# Altium PCB design.PcbDoc (part 2 of 4)
Units mil, origin at the board's own origin, x right, y up, seen from the top; angles counter-clockwise.
Board outline 4704.72 x 3503.94 mil, 6 copper layers (Top, GND, S3, S14, Power, Bottom), stack 57.09 mil thick; 326 components, 365 nets, 1536 pads, 493 vias.
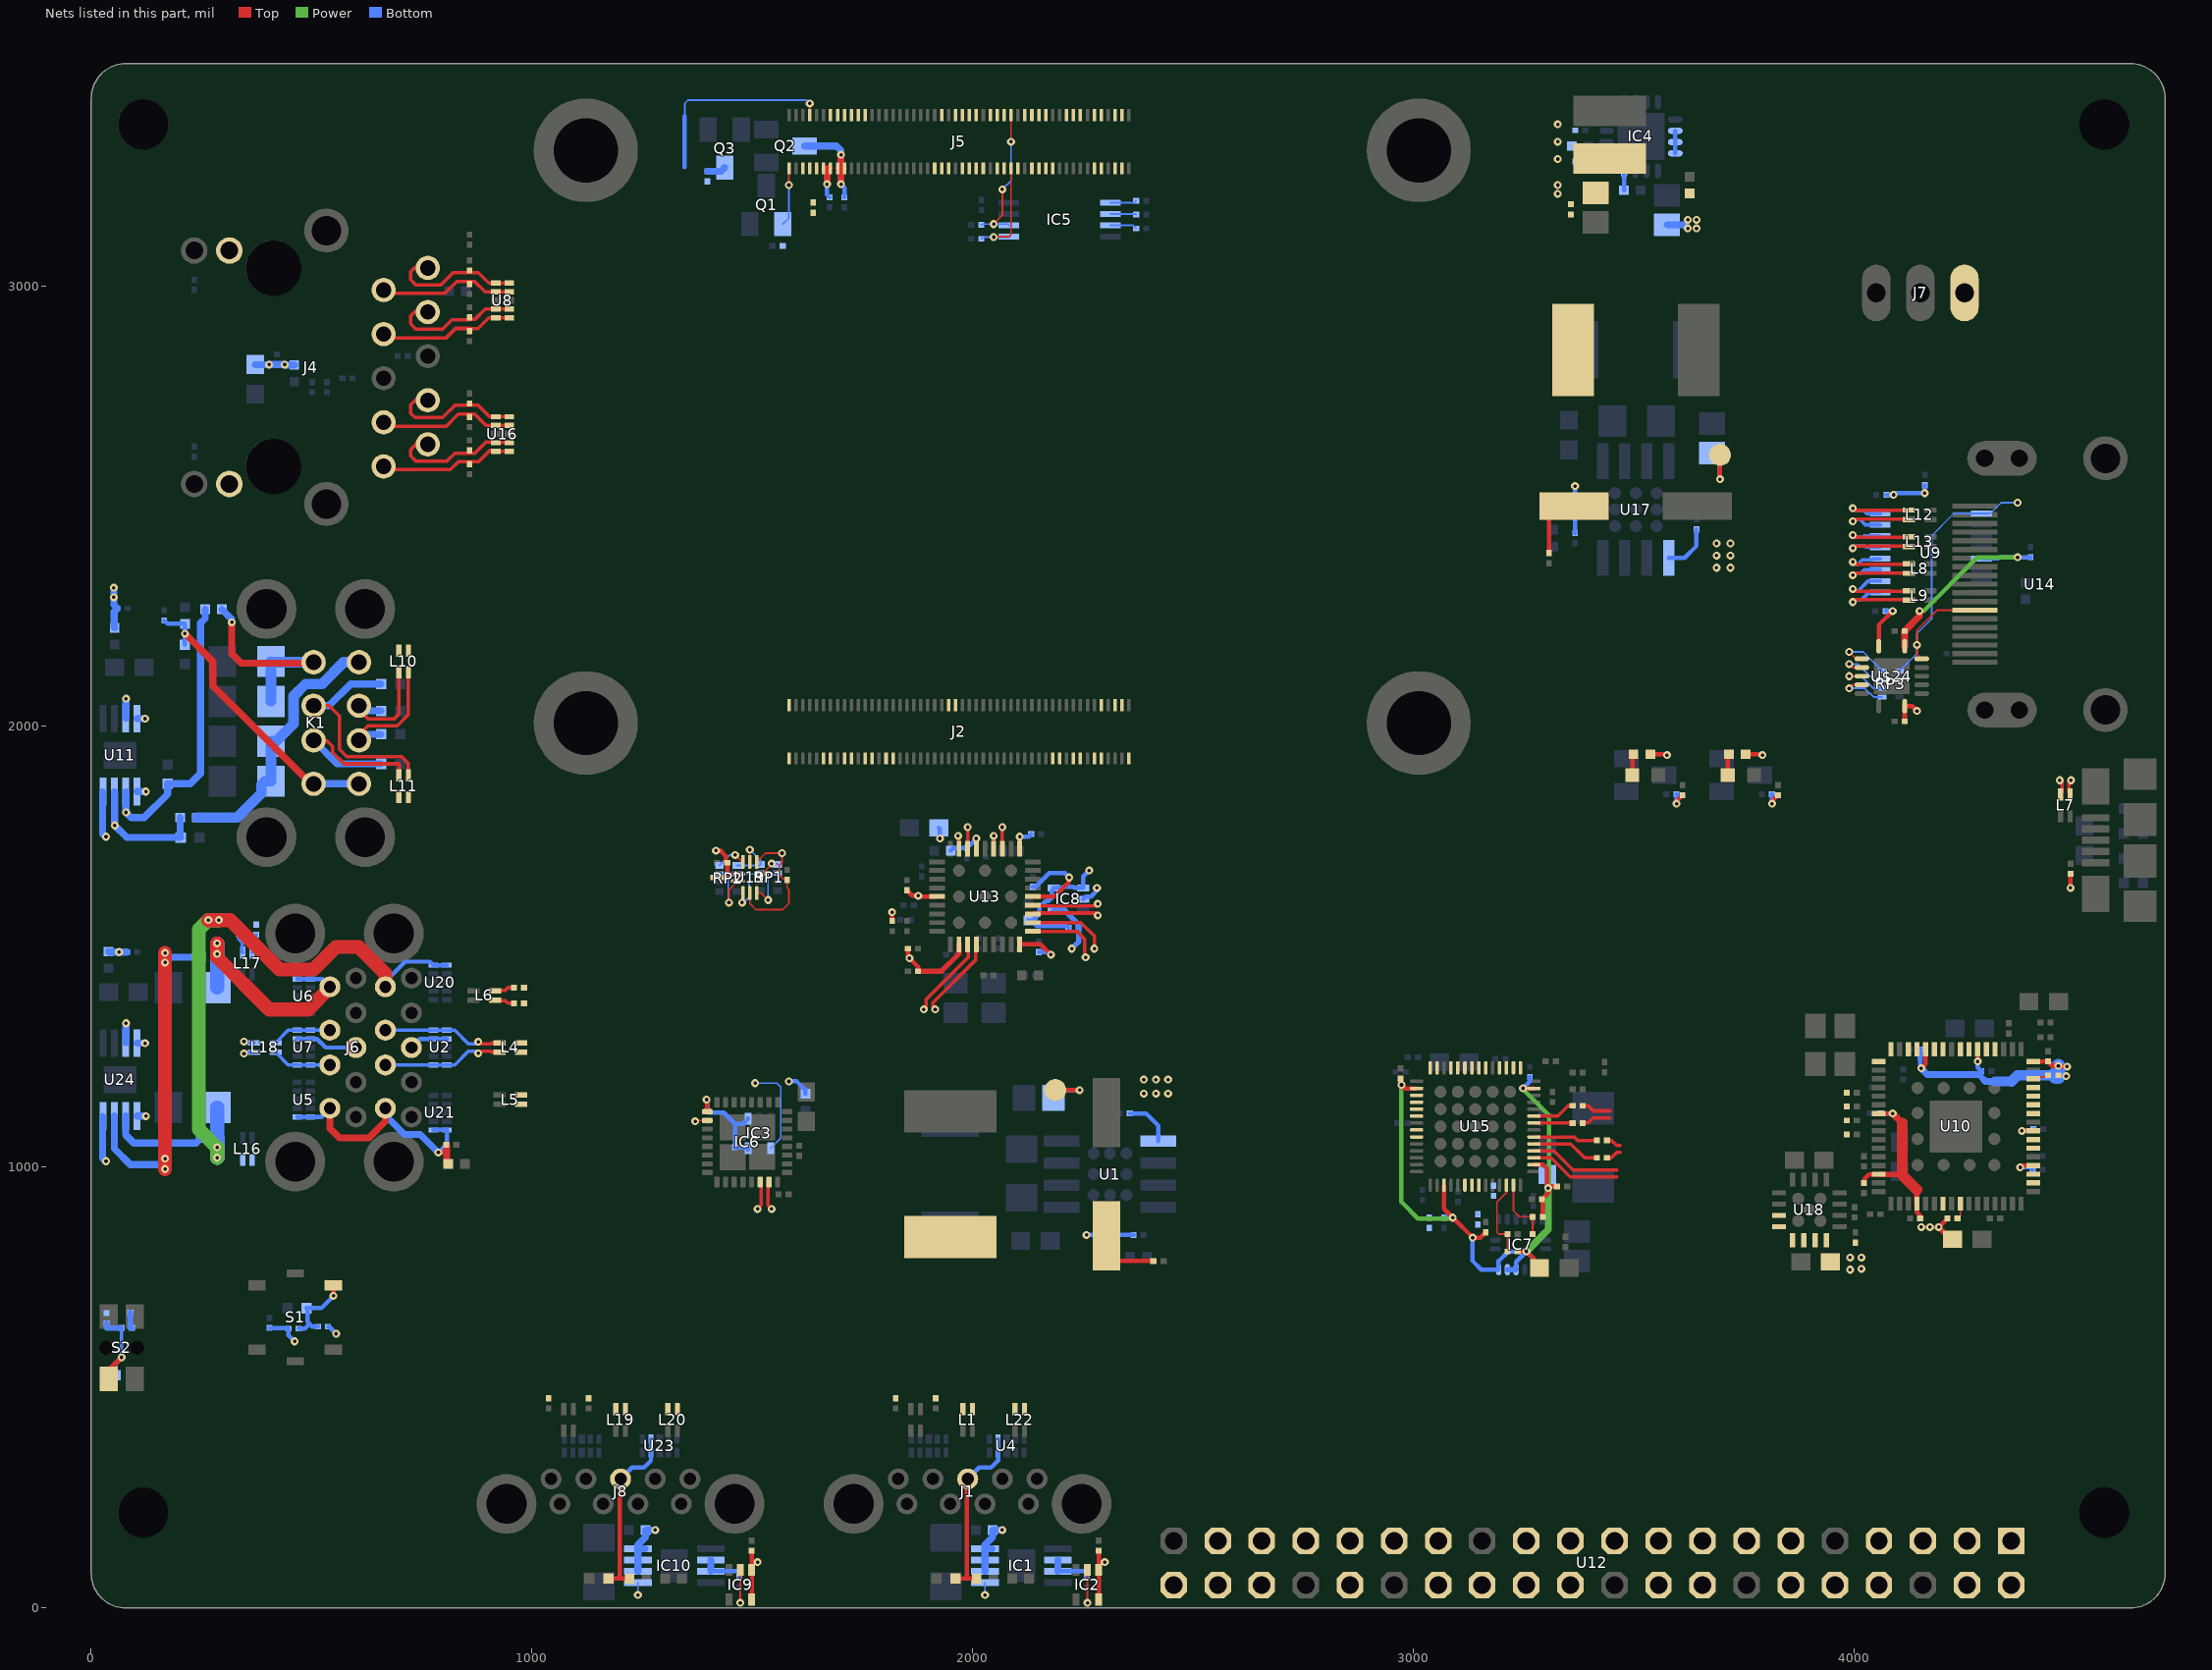
[diagram p4: the nets of this part, all layers, seen from the top]

## Part data
C1 C4 C5 C6 C8 C9 C10 C11 C12 C14 C16 C18 C20 C21 C22 C23 C24 C26 C27 C28 C29 C31 C32 C33 C41 C42 C43 C44 C52 C63 C66 C78 C80 C82 C83 C84 C88 C90 C91 C93 C94 C95 C253 C254 C256 C257 C258 C259 C260 C261 C263 C264 C265 C266 C267 C268 C269 C270 C271 C272 C273 C274 C280 C281 C285 C286 C287 C288 C289 C290 C291 C292 C293 C294 C295 C296 C297 C298 C301 C302 C303 C304 C305 C307 C308 C309 C311 C312 C314 C315 C316 C318 C319 R1 R2 R3 R4 R5 R6 R7 R8 R9 R10 R11 R12 R13 R14 R15 R16 R20 R21 R23 R24 R25 R26 R27 R28 R30 R31 R32 R33 R34 R35 R36 R37 R38 R39 R40 R41 R42 R44 R47 R48 R49 R50 R51 R52 R53 R54 R55 R56 R57 R58 R59 R60 R62 R63 R64 R65 R66 R67 R69 R70 R71: library part 0201, PackageName=0201, OriginalSource=Eagle
C2 C7 C13 C262 C276 C277 C278 C279 C306 C310: library part 1206, PackageName=1206, OriginalSource=Eagle
C3 C17 C25 C30 C34 C45 C46 C64 C81 C89 C158 C167 C255 C275 C282 C283 C300: library part 0603, PackageName=0603, OriginalSource=Eagle
C15 C65 C85 C87 C284 C299 C313 FB1 FB2 FB3 FB4 FB9 FB10 FB11 FB12 FB13 FB14 FB15 FB16 FB17 FB18 FB19 FB20 R17 R19 R22 R29 R43 R45 R61: library part 0402, PackageName=0402, OriginalSource=Eagle
C19 C86 C92 R18 R68: library part 0805, PackageName=0805, OriginalSource=Eagle
C79 C317: library part PANASONIC_F, PackageName=PANASONIC_F, OriginalSource=Eagle
D1 D2 D3 D4 D5 D6 D7 D9 D10 D11 D12 D15 D16 D17 D19: library part D0402, PackageName=D0402, OriginalSource=Eagle
D8 D13: library part D0603, PackageName=D0603, OriginalSource=Eagle
D14 D18: library part DO-214AB, PackageName=DO-214AB, OriginalSource=Eagle
IC1 IC10 U11 U24: library part MSOP8-PAD, PackageName=MSOP8-PAD, OriginalSource=Eagle
IC2 IC3 IC8 IC9: library part SC70-5, PackageName=SC70-5, OriginalSource=Eagle
IC4: library part PQFP16, PackageName=PQFP16, OriginalSource=Eagle
IC5: library part TSSOP8, PackageName=TSSOP8, OriginalSource=Eagle
IC6: library part QFN32, PackageName=QFN32, OriginalSource=Eagle
IC7: library part EP-3X3MMQFN16, PackageName=EP-3X3MMQFN16, OriginalSource=Eagle
J1 J8: library part USB3-A-H-VERT, PackageName=USB3-A-H-VERT, OriginalSource=Eagle
J2 J5: library part HRS_DF40C-100DS-0.4V(51), PackageName=HRS_DF40C-100DS-0.4V(51), OriginalSource=Eagle
J3: library part USB_MICRO_B, PackageName=USB_MICRO_B, OriginalSource=Eagle
J4: library part 7499111447, PackageName=7499111447, OriginalSource=Eagle
J6: library part USB3-A-H-DUAL, PackageName=USB3-A-H-DUAL, OriginalSource=Eagle
J7: library part 1X03_90_TH_SHROUD, PackageName=1X03_90_TH_SHROUD, OriginalSource=Eagle
L1 L3 L4 L5 L6 L7 L8 L9 L10 L11 L12 L13 L16 L17 L18 L19 L20 L21 L22: library part 0504-DLP11S, PackageName=0504-DLP11S, OriginalSource=Eagle
L2 L14: library part 3232DZ, PackageName=3232DZ, OriginalSource=Eagle
L15: library part 1515, PackageName=1515, OriginalSource=Eagle
MP1 MP2 MP3 MP4: library part WA-SMSI_9774___151, PackageName=WA-SMSI_9774___151, OriginalSource=Eagle
Q1 Q2 Q3 Q4 Q5: library part SOT23, PackageName=SOT23, OriginalSource=Eagle
RP1 RP2: library part RP741X083, PackageName=RP741X083, OriginalSource=Eagle
RP3: library part 741X08, PackageName=741X08, OriginalSource=Eagle
S1: library part EVQ, PackageName=EVQ, OriginalSource=Eagle
S2: library part EVQP-4, PackageName=EVQP-4, OriginalSource=Eagle
TP1 TP2: library part TP0500, PackageName=TP0500, OriginalSource=Eagle
U1 U17: library part 8SO_POWERPAD, PackageName=8SO_POWERPAD, OriginalSource=Eagle
U2 U3 U4 U5 U6 U7 U8 U16 U20 U21 U22 U23: library part UFDFN-10, PackageName=UFDFN-10, OriginalSource=Eagle
U9: library part TSSOP16, PackageName=TSSOP16, OriginalSource=Eagle
U10: library part QFN64-9X9MM-FT2232HQ, PackageName=QFN64-9X9MM-FT2232HQ, OriginalSource=Eagle
U12: library part 2X20, PackageName=2X20, OriginalSource=Eagle
U13: library part QFN36-6X6MM, PackageName=QFN36-6X6MM, OriginalSource=Eagle
U14: library part 47151-001, PackageName=47151-001, OriginalSource=Eagle
U15: library part VQFN56, PackageName=VQFN56, OriginalSource=Eagle
U18: library part LFCSPWQ16, PackageName=LFCSPWQ16, OriginalSource=Eagle
U19: library part UQFN-10, PackageName=UQFN-10, OriginalSource=Eagle
U$11 U$13 U$17 U$28: library part GEPPETTO_HOLE_2.9, PackageName=GEPPETTO_HOLE_2.9, OriginalSource=Eagle
U$24: library part S-PVQFN-N14, PackageName=S-PVQFN-N14, OriginalSource=Eagle
Y1 Y3: library part CRYSTAL-3225, PackageName=CRYSTAL-3225, OriginalSource=Eagle
Y2: library part CS10, PackageName=CS10, OriginalSource=Eagle
K1: PackageName=61400826021, OriginalSource=Eagle

## Free pads (board coordinates)
  round 31.5 hole 31.5 unplated: MH1(104.33,590.55) MH2(33.47,590.55)
  round 114.17 hole 114.17 unplated: MH1(118.11,216.54) MH1(118.11,3366.14) MH1(4566.93,216.54) MH1(4566.93,3366.14)
  round 125.98 hole 125.98 unplated: MH1(413.39,3039.96) MH2(413.39,2589.96)
  round 145.67 hole 145.67 unplated: MH1(1122.05,2007.87) MH1(1122.05,3307.09) MH1(3011.81,2007.87) MH1(3011.81,3307.09)
  round 39.37 hole 39.37 unplated: MH1(4295.28,2037.4) MH2(4295.28,2608.26)

## Via types
v1: diameter 18/18/18/18/18/18 (per signal layer), hole 8, Top to Bottom, 493 vias

## Nets (pads, with @x,y where several pads share a name; then routed paths per layer and width w, separated by ;. In a path a pad name is that pad's centre, name@x,y a point inside that pad or via, vN(x,y) a via of type N, cw(c..) or ccw(c..) an arc to the next point about the centre after c; other vN are vias at no path point)
1.8V_OUT$14: J5.88 J5.90 R48.1 | length 83.9
  Top w10: J5.90@1661.41,3266.14 1669.29,3266.14 J5.88@1677.16,3266.14
  Top w16: v1(1669.29,3230.32) 1669.29,3266.14
  Bottom w10: v1(1669.29,3230.32) 1669.29,3206.38 R48.1@1675.2,3200.48
1.USB_DEVICE_D_N: IC6.15 L7.2 | length 105
  Top w7.87: IC6.15@1537.4,966.54 1535.43,966.54 1535.43,913.39 v1(1543.31,905.51) ; v1(4465.41,1877.95) 4470.47,1877.95 4470.47,1850.39 4468.5,1848.43 4468.5,1846.46 L7.2@4467.52,1845.48
1.USB_DEVICE_D_P: IC6.14 L7.3 | length 105.8
  Top w7.87: v1(1511.81,905.51) 1519.69,913.39 1519.69,966.54 IC6.14@1517.72,966.54 ; L7.3@4489.18,1845.48 4490.16,1846.46 4486.22,1850.39 4486.22,1877.95 v1(4491.28,1877.95)
1.USB_DEVICE_VBUS: FB10.1 R31.1 | length 85.9
  Top w10: v1(4490.16,1633.86) R31.1@4490.16,1665.67
  Bottom w10: v1(1582.68,1194.88) 1600.39,1194.88 1620.08,1175.2 FB10.1@1620.08,1166.64
2.5.0V_VCC_5.0: C85.1 C86.1 C87.1 C258.1 C259.1 C272.1 C284.1 C316.1 C317.+ FB11.1 IC4.2 IC4.3 IC4.4 IC4.8 IC8.1 IC8.5 J5.77 J5.79 J5.81 J5.83 J5.85 J5.87 L14.2 R59.1 R60.2 U9.5 U12.2 U12.4 U$24.14 | length 1313.1
  Top w10: C316.1@3307.09,2393.39 C317.+@3307.09,2500
  Top w16: U$24.14@4114.18,2182.08 4113.86,2182.4 C259.1@4113.86,2216.54 4147.64,2250.31 v1(4147.64,2261.81)
  Top w24: C317.+@3307.09,2500 C317.+@3364.18,2500
  Power w10: v1(4147.64,2261.81) 4156.5,2261.81 4278.54,2383.86 v1(4370.08,2383.86)
  Bottom w10: C284.1@2125.98,1559.74 C284.1@2133.17,1559.74 ; 2149.61,1551.18 2145.67,1547.24 ; R60.2@2216.85,1543.31 ccw(c2209.8,1540.19) 2206.69,1547.24 2145.67,1547.24 ; v1(2263.78,1673.23) 2250,1659.45 IC8.1@2250,1633.86 2230.32,1633.86 2228.35,1635.83 2204.72,1635.83 2202.76,1633.86 IC8.5@2183.08,1633.86 2183.07,1630.61 2179.13,1626.67 2179.13,1612.2 2171.26,1604.33 2165.35,1604.33 2151.57,1590.55 2151.57,1574.8 2136.51,1559.74 C284.1@2133.17,1559.74 ; R59.1@3366.14,2438.67 v1(3366.14,2545.28) ; C85.1@3477.06,3216.54 3477.06,3260.53 IC4.8@3477.36,3260.82 IC4.8@3478.35,3259.84 ; IC4.4@3593.51,3300.19 IC4.2@3593.51,3351.38 ; U9.5@4288.39,2380.9 4325.79,2380.91 4328.74,2383.86 v1(4370.08,2383.86) 4399.61,2383.86 C258.1@4399.61,2384.17 ; C284.1@2133.17,1559.74 2145.67,1547.24
  Bottom w16: v1(51.18,2314.96) v1(51.18,2293.31) 51.18,2275.9 C272.1@59.37,2267.72 51.87,2260.22 51.87,2225.01 FB11.1@53.15,2223.72 ; C86.1@3574.8,3137.8 3614.17,3137.8 v1(3622.05,3129.92)
  other v1: 3641.73,3129.92 3622.05,3149.61 3641.73,3149.61
3.3.3V_VCC_3.3: C41.1 C42.1 C45.1 C63.1 C64.1 C92.1 C93.1 C158.1 C267.1 C268.1 C269.1 C280.1 C286.1 C287.1 FB9.2 L15.2 R19.2 R20.2 R21.1 R27.2 R29.2 R45.2 R47.2 R55.2 U10.4 U10.20 U10.24 U10.32 U10.38 U10.44 U10.55 U10.62 U12.17 U18.1 U18.2 U18.3 U18.4 U18.15 U18.16 | length 1373.4
  Top w10: R29.2@3536.72,1937.01 3572.83,1937.01 v1(3574.8,1935.04) ; R45.2@3753.25,1937.01 3789.37,1937.01 v1(3791.34,1935.04) ; C41.1@4021.65,964.26 4021.65,972.44 4033.46,984.25 U10.62@4055.11,984.25 ; U10.55@4055.11,1122.05 v1(4086.61,1122.05) ; U10.4@4141.73,917.32 4141.73,897.64 4147.64,891.73 4147.64,885.52 C267.1@4149.3,883.86 ; v1(4151.57,1224.41) 4161.42,1234.25 U10.44@4161.41,1267.72 ; v1(4190.94,864.17) 4191.26,864.17 R27.2@4210.94,883.86 ; v1(4279.53,1240.16) U10.38@4279.52,1267.72 ; v1(4375.98,1000) 4379.92,1003.94 U10.20@4405.51,1003.94 ; v1(4379.92,1082.68) U10.24@4405.51,1082.68 ; U10.32@4405.51,1240.16 4427.17,1240.16 4427.48,1240.47 C287.1@4438.98,1240.47 ; v1(4462.6,1230.32) 4464.57,1228.35 v1(4482.28,1228.35)
  Top w12: C287.1@4438.98,1240.47 4449.13,1230.32 v1(4462.6,1230.32)
  Top w12.32: U10.62@4055.11,984.25 4106.3,984.25 4108.27,984.25 ; U10.4@4141.73,917.32 4141.73,948.82 ; v1(4190.94,864.17) 4218.5,836.61 C45.1@4222.45,836.61
  Top w16: v1(4086.61,1122.05) 4108.27,1100.39
  Top w23.62: 4106.3,984.25 4141.73,948.82 ; 4108.27,984.25 4108.27,1100.39
  Bottom w10: C280.1@4058.74,1122.05 v1(4086.61,1122.05) ; 4149.3,1243.78 4149.3,1226.69 v1(4151.57,1224.41) ; v1(4279.53,1240.16) 4279.53,1226.69 C286.1@4287.71,1218.5 ; v1(4375.98,1000) 4397.95,1000 C268.1@4403.85,994.09 ; v1(4379.92,1082.68) 4401.89,1082.68 C269.1@4405.82,1086.61
  Bottom w12.32: 4149.3,1243.78 C42.1@4149.3,1267.72 ; 4279.84,1210.63 C286.1@4287.4,1218.19 ; C286.1@4287.71,1218.5 C286.1@4287.4,1218.19 ; 4293.31,1198.82 4287.4,1204.72 C286.1@4287.4,1218.19
  Bottom w16: C64.1@372.05,2820.86 v1(403.54,2820.87) 403.85,2821.18 438.67,2821.18 v1(438.98,2820.87) 439.66,2820.18 FB9.2@460.63,2820.18 ; v1(4151.57,1224.41) 4165.35,1210.63 4279.84,1210.63 ; 4293.31,1198.82 4297.24,1194.88 4318.9,1194.88
  Bottom w21.65: 4318.9,1194.88 4356.3,1194.88
  Bottom w24: 4356.3,1194.88 4370.08,1208.66 4452.44,1208.66
  Bottom w32: 4452.44,1208.66 4456.38,1204.72 4462.29,1204.72 4462.6,1205.04 4462.6,1228.35 v1(4462.6,1230.32)
  other v1: 3990.16,767.72 4015.75,769.68 3990.16,795.28 4015.75,795.28 4151.57,864.17 4171.26,864.17 4480.31,1206.69 3326.77,3208.66 3326.77,3228.35 3326.77,3287.4 3326.77,3326.77 3326.77,3366.14
3.3V_OUT$14: J5.84 J5.86 Q2.3 R44.1 R50.1 | length 282.5
  Top w10: J5.86@1692.91,3266.14 1700.79,3266.14 J5.84@1708.66,3266.14 1700.79,3274.02
  Top w16: v1(1700.79,3230.32) 1700.79,3266.14 ; 1700.79,3274.02 v1(1700.79,3297.24)
  Bottom w10: v1(1700.79,3230.32) 1708.66,3222.44 R44.1@1708.66,3200.48
  Bottom w16: Q2.3@1618.11,3316.93 1690.94,3316.93 1700.79,3307.09 v1(1700.79,3297.24) v1(1700.79,3230.32)
3.VLOGIC_VLOGIC: R21.2
13.UART1_RXD: RP1.1 U12.10 U19.7 | length 47.5
  Top w4: U19.7@1521.65,1665.35 1543.31,1687.01 v1(1543.31,1688.98)
  Bottom w4: v1(1543.31,1688.98) 1555.12,1688.98 cw(c1555.12,1687.01) RP1.1@1557.09,1687.01
13.UART1_TXD: RP1.2 U12.8 U19.5 | length 113.6
  Top w4: U19.5@1509.84,1622.05 1519.69,1622.05 v1(1535.43,1606.3)
  Bottom w4: v1(1535.43,1606.3) 1535.43,1665.35 1537.4,1667.32 RP1.2@1557.09,1667.32
13.UART2_RXD: IC3.4 RP2.4 U19.10 | length 279.5
  Top w4: v1(1460.63,1708.66) 1476.38,1692.91 U19.10@1478.35,1692.91
  Bottom w4: RP2.4@1425.19,1685.04 1448.82,1708.66 v1(1460.63,1708.66) ; v1(1505.91,1190.94) 1555.12,1190.94 1564.17,1181.89 1564.17,1066.14 IC3.4@1541.34,1043.31
13.UART2_TXD: IC6.2 RP2.3 U19.2 | length 167.8
  Top w4: v1(1370.08,1104.33) 1372.05,1106.3 IC6.2@1397.64,1106.3 ; v1(1446.85,1600.39) 1446.85,1629.92 U19.2@1466.53,1649.61
  Bottom w4: RP2.3@1425.19,1665.35 1438.98,1665.35 1444.88,1659.45 1444.88,1602.36 v1(1446.85,1600.39)
13.VLOGIC_OUT_VLOGIC: C80.1 C83.1 IC3.1 IC3.5 IC6.1 R39.2 | length 257.7
  Top w10: v1(1395.67,1153.54) 1397.64,1151.57 IC6.1@1397.64,1125.99
  Bottom w10: C80.1@1395.67,1127.95 C80.1@1397.64,1125.98 ; v1(1395.67,1153.54) 1397.64,1151.57 C80.1@1397.64,1127.64 C80.1@1397.64,1125.98 ; C83.1@1459.25,1046.34 C83.1@1460.32,1045.28 ; IC3.5@1490.16,1039.37 IC3.5@1490.16,1043.31 1488.19,1045.28 C83.1@1460.32,1045.28 ; IC3.1@1490.16,1110.23 1478.66,1098.74 1460.32,1098.74 ; C80.1@1397.64,1125.98 1399.61,1124.02 1435.04,1124.02 1460.32,1098.74 ; C83.1@1460.32,1045.28 1460.32,1098.74
14.3.3V_VCC_3.3: C4.1 C16.1 C17.1 C22.1 C23.1 C24.1 C25.1 C291.1 C292.1 C293.1 C297.1 C298.1 C299.1 C300.1 C307.1 C308.1 IC2.1 IC2.5 IC7.10 IC7.12 IC7.13 IC7.14 IC9.1 IC9.5 Q3.3 R9.2 R14.2 R15.2 R49.2 R63.1 R64.2 R67.2 U12.1 U13.5 U13.10 U13.15 U13.23 U13.29 U13.36 U15.16 U15.31 U15.44 U15.55 | length 2800.2
  Top w10: IC9.5@1498.03,19.69 1498.03,104.33 ; C308.1@1498.03,130.23 1498.03,104.33 ; v1(1511.81,104.33) 1498.03,104.33 ; R64.2@1816.93,1558.74 v1(1816.93,1578.74) ; C297.1@1850.39,1628.26 1862.52,1616.14 v1(1875.98,1616.14) 1877.95,1614.17 U13.23@1919.29,1614.17 ; R63.1@1852.67,1496.06 1852.67,1478.04 v1(1856.3,1474.41) 1875.67,1455.04 C307.1@1875.67,1444.88 ; U13.15@2007.87,1722.44 v1(2007.87,1746.06) ; U13.36@2106.3,1505.9 2153.54,1505.91 v1(2177.17,1482.28) ; U13.10@2106.3,1722.44 v1(2106.3,1750) ; U13.5@2135.83,1614.17 2185.04,1614.17 2218.5,1647.64 v1(2218.5,1657.48) ; IC2.5@2285.43,19.69 2285.43,104.33 ; C4.1@2285.43,130.23 2285.43,104.33 ; v1(2299.21,104.33) 2285.43,104.33 ; C22.1@2970.47,1201.1 2970.47,1188.98 v1(2972.44,1187.01) 2972.44,1183.07 2976.38,1179.13 U15.16@3006.69,1179.13 ; U15.31@3068.89,959.45 3068.9,905.51 v1(3088.58,885.83) v1(3133.86,840.55) 3151.26,840.55 R15.2@3163.39,852.67 ; R67.2@3235.91,809.06 v1(3255.91,809.06) 3285.43,779.53 C17.1@3285.44,771.65 ; v1(3248.03,1179.13) U15.55@3272.83,1179.13 ; U15.44@3272.83,1005.91 3293.31,1005.91 3303.15,996.06 3303.15,955.94 v1@3305.73,953.37 ; R9.2@3293,887.8 3293,925.2 R14.2@3291.03,927.17 3305.12,941.26 v1(3305.12,952.76) v1@3305.73,953.37 ; C24.1@3325.11,956.69 3309.06,956.69 v1@3305.73,953.37
  Top w12: C307.1@1875.67,1444.88 1929.13,1444.88 1968.5,1484.25 U13.29@1968.5,1505.9
  Power w10: v1(2972.44,1187.01) 2972.44,921.26 3009.84,883.86 3086.61,883.86 v1(3088.58,885.83) ; v1(3248.03,1179.13) 3248.03,1177.17 3307.09,1118.11 3307.09,954.72 v1(3305.12,952.76)
  Power w16: v1(3255.91,809.06) 3305.12,858.27 v1(3305.12,952.76)
  Bottom w10: C300.1@1923.22,1769.69 1925.2,1767.72 v1(1925.2,1746.06) ; C299.1@1950.1,1718.5 1955.7,1724.1 C293.1@1986.22,1724.1 2007.87,1745.75 v1(2007.87,1746.06) ; v1(2106.3,1750) 2126.3,1750 C292.1@2132.2,1755.91 ; C291.1@2136.14,1635.83 C291.1@2135.83,1636.14 2142.04,1636.14 2173.23,1667.32 2208.66,1667.32 v1(2218.5,1657.48) ; C298.1@2149.61,1488.5 2170.95,1488.5 v1(2177.17,1482.28) ; C23.1@3068.9,883.86 3068.9,885.83 v1(3088.58,885.83) ; v1(3133.86,840.55) 3133.86,787.4 3153.54,767.72 IC7.14@3192.92,767.71 3192.91,787.4 3214.57,809.06 v1(3255.91,809.06) ; IC7.12@3232.29,767.71 3232.28,785.43 v1(3255.91,809.06) ; v1(3248.03,1179.13) 3263.78,1194.88 C16.1@3263.78,1205.04 ; IC7.10@3271.65,767.72 3271.65,793.31 v1(3255.91,809.06) ; C25.1@3303.15,984.25 3303.15,954.72 v1(3305.12,952.76)
  Bottom w12: IC7.13@3212.6,767.71 IC7.12@3232.29,767.71
  Bottom w16: R49.2@1397.64,3259.53 1428.82,3259.53 Q3.3@1437.01,3267.71
14.1000BaseT_LINK_100: J5.19
14.1000BaseT_LINK_1000: J4.13 J5.17
14.1000BaseT_LINK_ACT: J4.11 J5.15
14.1000BaseT_TR0_N: J4.2 J5.10 R33.1 U8.2 U8.9 | length 315.1
  Top w7.87: J4.2@663.39,2990.16 671.26,2982.28 801.32,2982.28 828.88,3009.84 R33.1@858.27,3009.84 ; R33.1@858.27,3004.02 R33.1@858.27,3009.84 ; U8.9@948.23,2986.23 893.56,2986.22 869.94,3009.84 R33.1@858.27,3009.84
14.1000BaseT_TR0_P: J4.1 J5.12 R42.1 U8.1 U8.10 | length 315.2
  Top w7.87: J4.1@763.39,3040.16 733.07,3040.16 724.41,3031.5 724.41,3013.78 736.22,3001.97 793.17,3001.97 820.73,3029.53 R42.1@858.27,3029.53 ; R42.1@858.27,3034.56 R42.1@858.27,3029.53 ; U8.10@948.23,3005.91 U8.1@917.91,3005.91 901.71,3005.91 878.09,3029.53 R42.1@858.27,3029.53
14.1000BaseT_TR1_N: J4.4 J5.6 R35.1 U8.5 U8.6 | length 312.8
  Top w7.87: J4.4@663.39,2890.16 671.65,2881.89 805.26,2881.89 826.52,2903.15 857.87,2903.15 R35.1@858.27,2902.76 ; R35.1@858.27,2897.33 R35.1@858.27,2902.76 ; U8.6@948.23,2927.17 U8.5@917.91,2927.17 901.71,2927.17 877.31,2902.76 R35.1@858.27,2902.76
14.1000BaseT_TR1_P: J4.3 J5.4 R34.1 U8.4 U8.7 | length 313
  Top w7.87: J4.3@763.39,2940.16 733.46,2940.16 724.41,2931.1 724.41,2913.39 736.22,2901.57 797.1,2901.57 818.36,2922.83 857.87,2922.83 R34.1@858.27,2923.23 ; R34.1@858.27,2928.26 R34.1@858.27,2923.23 ; U8.7@948.23,2946.85 U8.4@917.91,2946.85 893.56,2946.85 869.94,2923.23 R34.1@858.27,2923.23
14.1000BaseT_TR2_N: J4.8 J5.9 R36.1 U16.2 U16.9 | length 317
  Top w7.87: J4.8@663.39,2690.16 672.44,2681.1 805.26,2681.1 832.82,2708.66 857.87,2708.66 R36.1@858.27,2708.27 ; R36.1@858.27,2702.44 R36.1@858.27,2708.27 ; U16.9@948.23,2683.08 895.53,2683.07 869.94,2708.66 858.27,2708.66 R36.1@858.27,2708.27
14.1000BaseT_TR2_P: J4.7 J5.11 R23.1 U16.1 U16.10 | length 317.1